# Altium PCB Backend_v1.PcbDoc (part 3 of 3) (continued)
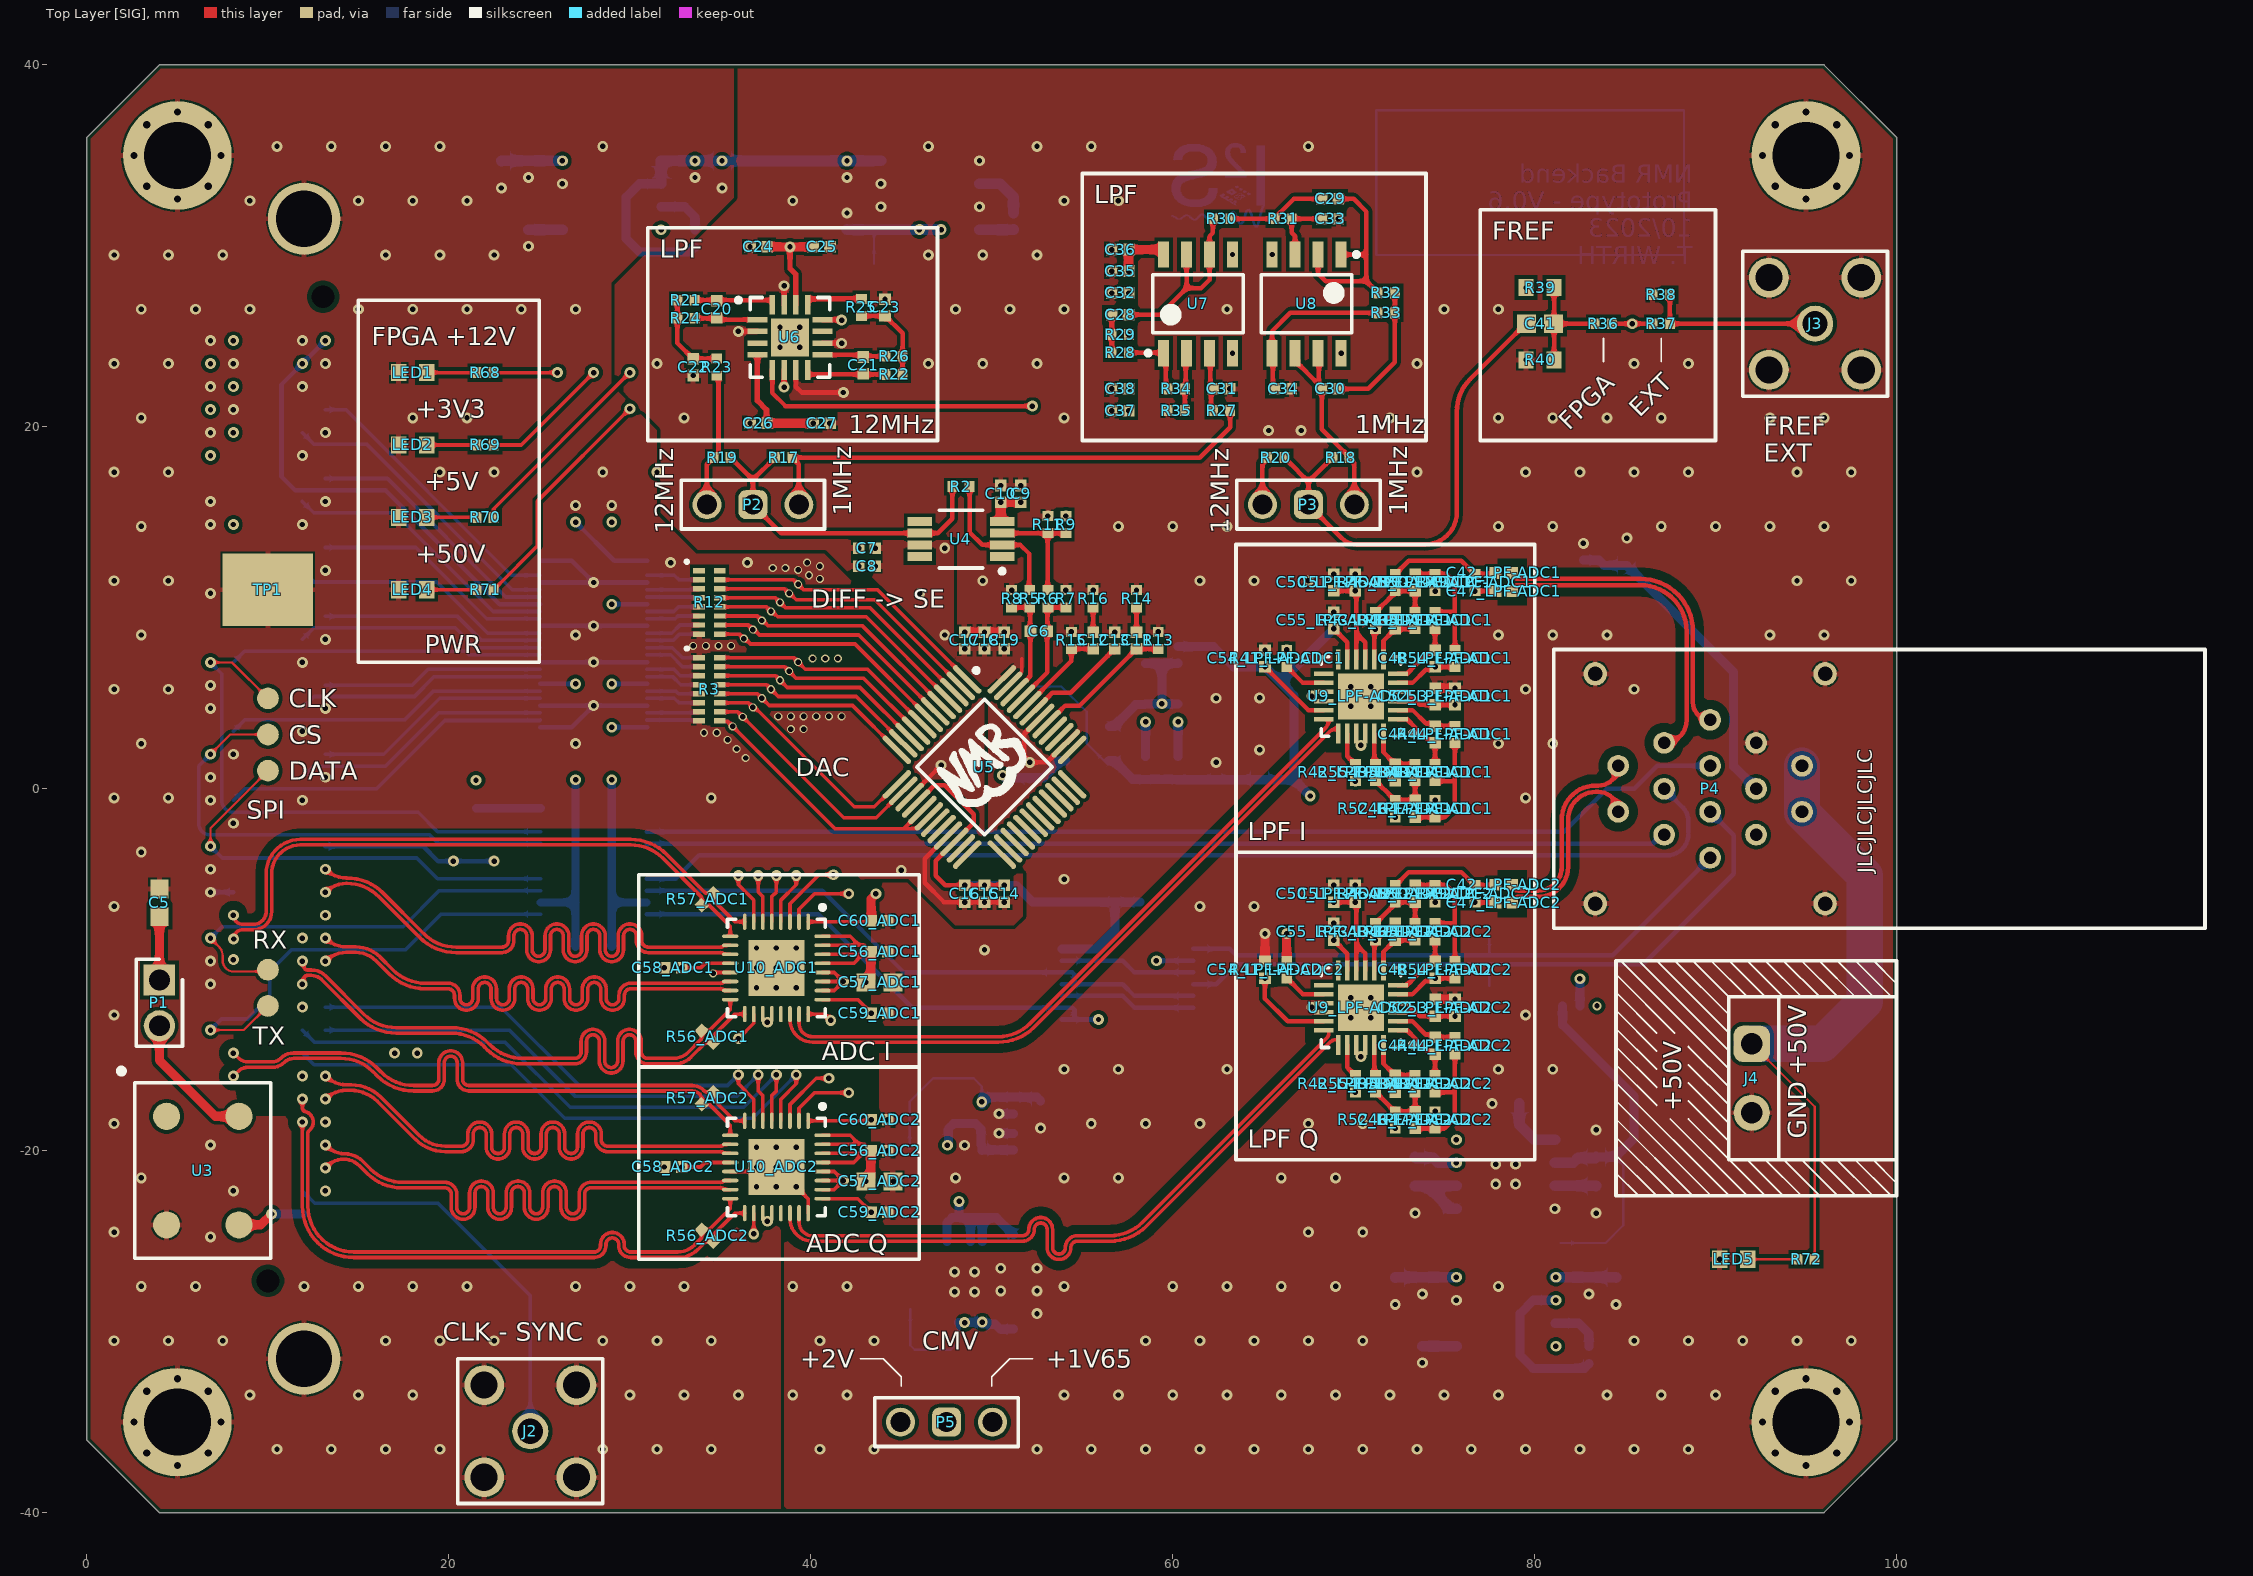
[diagram p0: Top Layer [SIG] view]
## Nets (pads, with @x,y where several pads share a name; then routed paths per layer and width w, separated by ;. In a path a pad name is that pad's centre, name@x,y a point inside that pad or via, vN(x,y) a via of type N, cw(c..) or ccw(c..) an arc to the next point about the centre after c; other vN are vias at no path point) (continued)
NetLED5_1: LED5.1 R72.1 | length 2.7
  Top Layer [SIG] w0.125: LED5.1@91.775,-26 R72.1@94.525,-26
NetP1_2: P1.2 U3.4 | length 7.6
  Top Layer [SIG] w0.5: P1.2@4,-13.1 4,-15 7.1,-18.1 U3.4@8.4,-18.1
NetP2_1: P2.1 R17.2 R27.1 | length 28.6
  Top Layer [SIG] w0.25: P2.1@39.34,15.7 39.34,17.935 39.15,18.125 39.125,18.125 38.975,18.275 R17.2@38.975,18.3 61.5,18.3 63.175,19.975 R27.1@63.175,20.9
NetP2_2: P2.2 R2.2 R17.1 R19.2 U4.6 | length 18.6
  Top Layer [SIG] w0.25: R19.2@35.575,18.3 35.575,18.275 35.725,18.125 35.75,18.125 36.8,17.075 ; R17.1@38.025,18.3 36.8,17.075 ; U4.6@46.025,14.125 38.375,14.125 P2.2@36.8,15.7 36.8,17.075 ; U4.6@46.11,14.125 47.025,14.125 47.825,14.925 R2.2@47.825,16.7
NetP2_3: P2.3 R19.1 R23.1 | length 7.4
  Top Layer [SIG] w0.25: P2.3@34.26,15.7 34.26,17.935 34.45,18.125 34.475,18.125 34.625,18.275 34.625,18.325 34.9,18.6 R23.1@34.9,22.825
NetP3_1: P3.1 R20.1 U6.5 | length 34
  Top Layer [SIG] w0.25: U6.5@37.875,23.15 37.875,21.875 38.6,21.15 v1(52.25,21.15) ; P3.1@64.96,15.7 64.96,18.01 65.225,18.275 R20.1@65.225,18.3
  Top Layer [SIG] w0.3: U6.5@37.875,22.825 U6.5@37.875,23.15
  Mid Layer 2 [SIG] w0.25: v1(52.25,21.15) 57.7,15.7 P3.1@64.96,15.7
NetP5_1: P5.1 R59.1 R61.2 | length 46.2
  Mid Layer 2 [SIG] w0.5: P5.1@44.96,-35 46,-33.96 46,-19 58.5,-6.5 v1(58.5,3.7)
  Bottom Layer [SIG] w0.5: 58.5,1.775 v1(58.5,3.7)
NetP5_3: P5.3 R60.1 R62.1 | length 44.9
  Mid Layer 2 [SIG] w0.5: P5.3@50.04,-35 60.3,-24.74 v1(60.3,3.7)
  Bottom Layer [SIG] w0.5: 60.3,1.775 v1(60.3,3.7)
NetR1_1: R1.1 U1.10 | length 3.6
  Bottom Layer [SIG] w0.45: 21.5,-1.075 U1.10@25.075,-1.075
NetR2_1: R2.1 R5.1 U4.2 | length 8.3
  Top Layer [SIG] w0.25: R2.1@48.775,16.7 48.775,14.185 49.477,13.483 50.567,13.483 U4.2@50.575,13.475 51.585,13.475 52.06,13 52.06,11.015 R5.1@52.1,10.975
NetR4_1: R4.1 U2.23 | length 2.9
  Bottom Layer [SIG] w0.2: U2.23@30.95,3.8 33.6,3.8 33.65,3.75 R4.1@33.825,3.75
NetR6_1: R6.1 R9.2 R11.2 U4.3 | length 6.7
  Top Layer [SIG] w0.25: U4.3@50.575,14.125 R11.2@53.1,14.125 ; R6.1@53.1,10.975 53.092,10.983 53.092,14.117 R11.2@53.1,14.125 ; R9.2@54.1,14.125 R11.2@53.1,14.125
NetR25_1: R25.1 U6.13 | length 3.3
  Top Layer [SIG] w0.3: U6.13@39.825,26.75 39.825,27.075 R25.1@42.8,27.075
NetR28_1: R28.1 R34.2 U7.1 | length 4
  Top Layer [SIG] w0.25: R28.1@57.575,24.1 59.47,24.1 U7.1@59.495,24.075 59.625,23.945 R34.2@59.625,22.1
NetR34_1: R34.1 R35.2 U7.2 | length 3.2
  Top Layer [SIG] w0.25: R35.2@60.675,20.9 R34.1@60.675,22.1 60.72,22.145 60.72,24.03 U7.2@60.765,24.075
NetR41_LPF-ADC1_1: R41_LPF-ADC1.1 U9_LPF-ADC1.14 | length 2.4
  Top Layer [SIG] w0.25: R41_LPF-ADC1.1@66.3,6.725 66.325,6.725 67.2,5.85 U9_LPF-ADC1.14@68.35,5.85
NetR41_LPF-ADC2_1: R41_LPF-ADC2.1 U9_LPF-ADC2.14 | length 2.4
  Top Layer [SIG] w0.25: R41_LPF-ADC2.1@66.3,-10.475 66.325,-10.475 67.2,-11.35 U9_LPF-ADC2.14@68.35,-11.35
NetR42_LPF-ADC1_1: R42_LPF-ADC1.1 U9_LPF-ADC1.20 | length 1.9
  Top Layer [SIG] w0.25: U9_LPF-ADC1.20@69.65,3.05 69.65,1.8 70.075,1.375 R42_LPF-ADC1.1@70.1,1.375
NetR42_LPF-ADC2_1: R42_LPF-ADC2.1 U9_LPF-ADC2.20 | length 1.9
  Top Layer [SIG] w0.25: U9_LPF-ADC2.20@69.65,-14.15 69.65,-15.4 70.075,-15.825 R42_LPF-ADC2.1@70.1,-15.825
NetR58_1: R58.1 U13.7 | length 2.8
  Bottom Layer [SIG] w0.5: U13.7@31.725,32.165 33.035,32.165 33.6,31.6 R58.1@33.6,30.875
NetR64_1: R64.1 U15.7 | length 2.8
  Bottom Layer [SIG] w0.5: U15.7@81.125,-29.535 82.435,-29.535 83,-30.1 R64.1@83,-30.825
NetU18_3: U18.3 U18.13 | length 7.5
  Bottom Layer [SIG] w0.25: U18.13@53.875,-9.5 57.238,-9.5 57.888,-10.15 U18.3@61.125,-10.15
NetU18_6: U18.6 U18.10 | length 7.5
  Bottom Layer [SIG] w0.25: U18.10@53.875,-11.45 57.238,-11.45 57.888,-12.1 U18.6@61.125,-12.1
Q_N: C42_LPF-ADC1.1 P4.8 | length 17.3
  Top Layer [SIG] w0.25: C42_LPF-ADC1.1@78.76,11.925 ccw(c79.084,11.925) 79.084,11.601 85.854,11.601 cw(c85.854,8.703) 88.752,8.703 88.752,4.758 ccw(c89.7,4.758) P4.8@89.7,3.81
Q_P: C47_LPF-ADC1.1 P4.9 | length 18.1
  Top Layer [SIG] w0.25: C47_LPF-ADC1.1@78.76,10.925 cw(c79.084,10.925) 79.084,11.249 85.854,11.249 cw(c85.854,8.703) 88.4,8.703 88.4,3.78 cw(c87.16,3.78) P4.9@87.16,2.54
RX: P4.3 pad.3@77.5,-8 U18.1 | length 32.2
  Bottom Layer [SIG] w0.125: 77.5,-9.2 pad.3@77.5,-8
  Bottom Layer [SIG] w0.25: U18.1@61.125,-8.85 63.15,-8.85 63.5,-9.2 84.31,-9.2 P4.3@89.7,-3.81
RX2: U1.18 U18.5 U18.11 U18.12 | length 33.6
  Bottom Layer [SIG] w0.25: U1.18@30.925,-5.625 40.625,-5.625 45.15,-10.15 54.45,-10.15 54.575,-10.275 54.575,-10.75 U18.11@54.525,-10.8 ; U18.11@53.875,-10.8 U18.11@54.525,-10.8 ; U18.5@61.125,-11.45 57.888,-11.45 57.238,-10.8 U18.11@54.525,-10.8
RX_FMC: J1.C14 pad.3@10,-10 U1.3 | length 23.7
  Top Layer [SIG] w0.125: v1(6.825,-8.255) 7.274,-8.704 cw(c6.727,-9.25) 7.5,-9.25 7.5,-9.5 ccw(c8.1,-9.5) 8.1,-10.1 9.9,-10.1 ccw(c9.9,-10) pad.3@10,-10
  Bottom Layer [SIG] w0.2: v1(6.825,-8.255) 7.455,-7.625 17.475,-7.625 19.475,-5.625 U1.3@25.075,-5.625
TX: P4.12 pad.3@77.5,-10.9 U18.4 | length 37.6
  Bottom Layer [SIG] w0.125: pad.3@77.5,-10.9 77.5,-9.7
  Bottom Layer [SIG] w0.25: U18.4@61.125,-10.8 62.4,-10.8 63.5,-9.7 80,-9.7 86,-9.7 91,-4.7 91,-2.57 P4.12@89.7,-1.27
TX2: U1.20 U18.2 U18.8 U18.9 | length 35
  Mid Layer 2 [SIG] w0.25: v1(55.9,-12.75) 55.9,-12.725 59.1,-9.525 v1(59.1,-9.5)
  Bottom Layer [SIG] w0.25: U1.20@30.925,-6.925 40.425,-6.925 45.6,-12.1 54.45,-12.1 54.575,-12.225 54.575,-12.7 U18.8@54.525,-12.75 ; U18.8@53.875,-12.75 U18.8@54.525,-12.75 ; v1(55.9,-12.75) U18.8@54.525,-12.75 ; v1(59.1,-9.5) U18.2@61.125,-9.5
TX_FMC: J1.C10 pad.3@10,-12 U1.1 | length 25.5
  Top Layer [SIG] w0.125: v1(6.825,-13.335) 8.665,-13.335 pad.3@10,-12
  Bottom Layer [SIG] w0.2: v1(6.825,-13.335) 7.436,-12.724 8.876,-12.724 10.1,-11.5 10.1,-10.1 11.3,-8.9 17.6,-8.9 19.575,-6.925 U1.1@25.075,-6.925
Vocm1: C54_LPF-ADC1.1 C54_LPF-ADC2.1 C55_LPF-ADC1.1 C55_LPF-ADC2.1 C74.1 C75.1 C76.1 pad.3@52.5,5.653 R59.2 R60.2 U9_LPF-ADC1.11 U9_LPF-ADC1.17 U9_LPF-ADC2.11 U9_LPF-ADC2.17 U14.5 | length 60.7
  Top Layer [SIG] w0.25: v1(65.1,-10.46) 65.1,-11.6 66.35,-12.85 U9_LPF-ADC2.17@68.35,-12.85 ; v1(65.1,6.74) 67.49,4.35 U9_LPF-ADC1.17@68.35,4.35 ; v1(68.9,-8.36) 69.65,-9.11 U9_LPF-ADC2.11@69.65,-10.05 ; v1(68.9,8.84) 69.65,8.09 U9_LPF-ADC1.11@69.65,7.15
  Mid Layer 3 [PWR] w0.5: v1(65.1,-10.46) 67.6,-7.96 ; 67.6,-2.1 67.6,-7.96 ; 67.6,-2.075 v1(67.6,-0.4) ; v1(68.9,-8.36) 68.881,-8.341 67.981,-8.341 67.6,-7.96
  Bottom Layer [SIG] w0.125: pad.3@52.5,5.653 53.847,5.653 55.25,4.25 55.25,2.5 55.5,2.25 56.2,1.55 U14.5@56.5,1.55
  Bottom Layer [SIG] w0.5: U14.5@56.5,1.55 56.8,1.55 56.85,1.5 56.85,1.455 57.78,0.525 R59.2@58.5,0.525 R60.2@60.3,0.525 ; R60.2@60.25,0.5 66.7,0.5 ; C74.1@60.3,7.86 62.246,7.86 63.366,6.74 v1(65.1,6.74) 65.95,5.89 ; v1(67.6,-0.4) 66.7,0.5 ; v1(68.9,8.84) 65.95,5.89 ; 65.95,5.89 66.7,5.14 66.7,0.5
pads on no net: J1.C2 J1.C3 J1.C6 J1.C7 J1.C11 J1.C15 J1.C19 J1.C23 J1.C27 J1.C30 J1.C31 J1.C34 J1.D1 J1.D4 J1.D5 J1.D11 J1.D12 J1.D17 J1.D18 J1.D21 J1.D24 J1.D27 J1.D29 J1.D30 J1.D31 J1.D33 J1.D34 J1.D35 J1.G15 J1.G16 J1.G18 J1.G19 J1.G22 J1.G25 J1.G28 J1.G31 J1.G34 J1.G37 J1.H1 J1.H2 J1.H19 J1.H20 J1.H23 J1.H26 J1.H29 J1.H32 J1.H35 J1.H38 J1.MH1 J1.MH2 R10.8 R10.9 R12.1 R12.16 U1.5 U1.6 U1.9 U1.12 U1.15 U1.16 U2.2 U2.47 U3.1 U4.1 U4.5 U4.8 U5.19 U5.20 U5.23 U5.24 U5.25 U5.26 U5.27 U5.28 U5.29 U5.30 U5.31 U5.32 U5.33 U5.34 U5.35 U5.36 U5.37 U5.39 U5.40 U6.3 U6.11 U9_LPF-ADC1.12 U9_LPF-ADC1.13 U9_LPF-ADC2.12 U9_LPF-ADC2.13 U10_ADC1.21 U10_ADC2.21 U11.4 U13.2 U15.2 U16.6
copper on no net: | length 50
  Bottom Layer [SIG] w0.125: 71.25,29.5 88.25,29.5 88.25,37.5 71.25,37.5 71.25,29.5

## Polygon pours and split planes (outlines as drawn)
AGND on Top Layer [SIG] "NONET_L-01_P-001" (solid, remove dead copper, pour order 6): 29,-44 29,45 103,45 103,-44
DGND on Top Layer [SIG] "NONET_L-01_P-001" (solid, remove dead copper, pour order 5): -3.026,41.688 -3.026,-41.048 38.328,-41.048 38.33,-22.5 39.7,-22.5 39.7,-16.5 40.8,-16.5 40.8,-14.4 39.356,-14.4 38.385,-13.353 38.328,-11.5 40,-11.5 40,-13.2 42.897,-13.2 42.966,-5 45.426,-5 47.974,-7.548 51.224,-7.548 51.724,-7.048 51.724,-4.7 49.6,-4.7 49.6,5.861 44.087,11.452 42.298,11.452 40.75,13 33.676,13 31.5,15.176 31.5,19.8 28.974,22.326 28.974,27.952 30.724,29.702 32.802,29.702 35.75,32.65 35.75,41.688
+5V on Top Layer [SIG] "NONET_L-01_P-001" (solid, remove dead copper, pour order 1): 43.2,11.9 43.2,13.725 47.9,13.725 47.9,8.1 51.1,8.1 51.8,8.1 51.78,6.28 50.4,4.9 50.2,4.9
+5V on Mid Layer 3 [PWR] "NONET_L-01_P-001" (solid, remove dead copper, pour order 11): 26,43 26,-43 103,-43 103,43
FMC12V on Mid Layer 3 [PWR] "NONET_L-01_P-001" (solid, remove dead copper, pour order 10): 33.15,-25 33.15,-9.9 33.15,41 -1,41 -1,-42 61,-42 87,-42 87,-29.7 78.4,-29.7 78.4,-25 52,-25 52,-30 38,-30
FMC_3V3 on Mid Layer 3 [PWR] "NONET_L-01_P-001" (solid, remove dead copper, pour order 9): 9.953,29.797 5.4,25.2 5.4,21.9 7.6,21.9 7.6,14.4 8,14 21.2,14 24.2,17 27.5,17 28,16.5 28,0.4 27.1,-0.5 7.2,-0.5 2.7,-5 2.6,-14.2 3.45,-15.05 5.5,-15.05 7,-13.9 30.5,-13.9 33,-11.608 33,18.366 21.776,29.803
FMC_VADJ on Mid Layer 3 [PWR] "NONET_L-01_P-001" (solid, remove dead copper, pour order 3): 15,25 14,26 12,26 11,25 11,-0.25 28,-0.25 28,1.5 29,2.5 29.5,2.5 30,3 30,4 29.5,4.5 29,4.5 28,5.5 28,7 28,16.5 26.817,17.683 15,17.683
-5V on Mid Layer 3 [PWR] "NONET_L-01_P-001" (solid, remove dead copper, pour order 8): 66.5,30.25 63.5,30.25 61.75,29.5 53.75,29.5 49.25,31.5 45.25,31.5 41.25,27.75 41.25,22.25 40,21.25 38,21.25 38,19.25 42,15.25 52.25,15.25 55.75,18.75 62.25,18.75 66.5,23
AGND on Mid Layer 1 [GND] "NONET_L-01_P-001" (solid, remove dead copper, pour order 14): 29,-44 29,45 103,45 103,-44
DGND on Mid Layer 1 [GND] "NONET_L-01_P-001" (solid, remove dead copper, pour order 13): -3.026,41.688 -3.026,-41.048 38.228,-41.048 38.33,-22.5 39.7,-22.5 39.7,-15.8 46.4,-15.8 46.4,-14.6 38.328,-14.6 38.328,-11.5 40,-11.5 40,-13.1 47.928,-13.1 47.974,-7.548 51.224,-7.548 51.724,-7.048 51.724,-4.7 49.6,-4.7 49.6,5.861 44.087,11.452 42.298,11.452 40.75,13 33.676,13 31.5,15.176 31.5,19.8 28.974,22.326 28.974,27.952 30.724,29.702 32.802,29.702 35.75,32.65 35.75,41.688
AGND on Bottom Layer [SIG] "NONET_L-01_P-001" (solid, remove dead copper, pour order 15): 29,-44 29,45 103,45 103,-44
DGND on Bottom Layer [SIG] "NONET_L-01_P-001" (solid, remove dead copper, pour order 7): -3.026,41.688 -3.026,-41.048 38.228,-41.048 38.33,-22.5 40,-22.5 40,-15 64,-15 64,-10.5 64,-1.5 42.2,-1.5 42.2,11.3 40.5,13 33.676,13 31.5,15.176 31.5,19.8 28.974,22.326 28.974,27.952 30.724,29.702 32.802,29.702 34.2,31.1 34.2,41.688
AGND on Mid Layer 4 [GND] "NONET_L-01_P-001" (solid, remove dead copper, pour order 18): 29,-44 29,45 103,45 103,-44
DGND on Mid Layer 4 [GND] "NONET_L-01_P-001" (solid, remove dead copper, pour order 17): -3.026,41.688 -3.026,-41.048 38.228,-41.048 38.33,-22.5 40,-22.5 40,-15 64,-15 64,-10.5 87.5,-10.5 91.5,-6 91.5,-1 90.5,0 90.5,2.5 87.305,1.44 83.5,0.5 80.5,-1.5 42.2,-1.5 42.2,11.3 40.5,13 33.676,13 31.5,15.176 31.5,19.8 28.974,22.326 28.974,27.952 30.724,29.702 32.802,29.702 34.2,31.1 34.2,41.688
AGND on Mid Layer 4 [GND] "NONET_L-01_P-001" (solid, remove dead copper, pour order 16): 64,-8 64.5,-8.5 83.5,-8.5 86.5,-5.5 86.5,-4.75 86,-4.25 64.5,-4.25 64,-4.75

## Other copper
Top Layer [SIG]:
  pour cut-out: 36.406,-4.75 42.536,-4.75 43.6,-5.814 43.34,-6.074 43.34,-13.21
  pour cut-out: 75.6,10.6 76.525,10.6 76.525,10.45 75.75,10.45
  pour cut-out: 75.6,-6.6 76.525,-6.6 76.525,-6.75 75.75,-6.75
  pour cut-out: 36,-4.8 33.2,-4.8 33.4,-5
  pour cut-out: 32.428,-15.875 35.799,-12.505 35.799,-11.9 42.793,-11.9 43.344,-18.35 43.344,-19.996 42.275,-18.35 39.85,-18.35
  pour cut-out: 10.75,-3 10.75,-6.5 8.1,-8.255 8.1,-10.1 9.922,-10.078 10,-12 11.907,-12.062 16.07,-11.15 35.41,-11.15 35.41,-7.882 30.75,-3
  pour cut-out: 8.665,-13.335 8.095,-13.4 8.095,-14.605 15.9,-14.7 17,-15.6 18.8,-15.6 18.8,-14 16.6,-12 10,-12
  pour cut-out: 8.095,-14.605 8.095,-15.875 8.4,-18.1 12.3,-18.1 12.2,-24 13.5,-25.3 13.591,-25.209 33.578,-25.209 35.41,-23.377 35.41,-18.857 32.428,-15.875
  pour cut-out: 43.775,-17.6 43.775,-13.088 43.025,-13.838 43.025,-18.325
Mid Layer 4 [GND]:
  pour cut-out: 92.24,-5.422 85.786,-12.828 85.5,-17 85.5,-19.3 84.9,-20.8 84.9,-24.1 84.5,-24.5 84.495,-26.995 102.75,-27 102.75,6.35 96,6.35 92.24,2.54
Bottom Layer [SIG]:
  pour cut-out: 70.75,38 70.75,29 88.75,29 88.75,38
  pour cut-out: 79.935,-28.265 79.2,-29 79.2,-31.3 79.925,-32.025 82.75,-32.025 83,-31.775 83,-30.1 82.435,-29.535 82.05,-29.535 82.05,-28.765 81.55,-28.265
  pour cut-out: 84.219,0.969 85.79,2.54 87.16,2.54 88.43,3.81 90.307,3.81
  pour cut-out: 92.09,-2.39 83.198,-3.5 83.35,-6.35 83.198,-9.247 85.85,-9.55 85.35,-16.85 85.35,-19.15 84.75,-20.65 83.35,-21.95 85,-23.25 84.75,-23.95 84.35,-24.35 84.345,-26.845 102.6,-26.85 102.6,6.5 95.85,6.5 92.09,2.69
  region: 329 vertices and 0 holes, not listed, extent 59.951,32.163 62.483,35.618
  region: 368 vertices and 0 holes, not listed, extent 59.926,31.025 65.097,35.535
  region: 63.885,34.204 63.814,34.274 63.798,34.282 63.777,34.311 63.699,34.389 63.682,34.397 63.662,34.426 63.637,34.451 63.629,34.467 63.584,34.513 63.567,34.521 63.559,34.538 63.542,34.546 63.513,34.575 63.509,34.587 63.493,34.595 63.472,34.624 63.439,34.657 63.431,34.674 63.406,34.698 63.398,34.715 63.386,34.736 63.369,34.744 63.348,34.764 63.34,34.781 63.315,34.806 63.307,34.822 63.283,34.847 63.25,34.905 63.208,34.979 63.192,35.02 63.184,35.061 63.167,35.102 63.163,35.181 63.175,35.259 63.192,35.3 63.2,35.333 63.241,35.375 63.262,35.412 63.295,35.42 63.328,35.453 63.361,35.461 63.608,35.453 63.641,35.42 63.666,35.412 63.72,35.358 63.728,35.325 63.744,35.309 63.761,35.21 63.769,35.152 64.029,35.148 64.049,35.168 64.037,35.247 64.029,35.313 64.012,35.354 63.992,35.399 63.983,35.432 63.95,35.465 63.942,35.482 63.856,35.568 63.814,35.593 63.757,35.618 63.682,35.651 63.612,35.663 63.563,35.671 63.377,35.676 63.353,35.667 63.32,35.659 63.233,35.638 63.221,35.626 63.188,35.618 63.13,35.585 63.085,35.556 63.08,35.544 63.064,35.535 63.01,35.482 63.002,35.465 62.977,35.441 62.957,35.387 62.936,35.366 62.928,35.333 62.916,35.239 62.903,35.193 62.911,35.037 62.92,35.012 62.928,34.954 62.936,34.921 62.961,34.896 62.969,34.863 62.994,34.822 63.064,34.719 63.076,34.707 63.085,34.69 63.097,34.67 63.113,34.661 63.126,34.649 63.134,34.632 63.159,34.608 63.167,34.591 63.179,34.579 63.192,34.575 63.2,34.558 63.241,34.517 63.25,34.5 63.6,34.15 63.616,34.142 63.678,34.08 63.687,34.063 63.699,34.051 63.715,34.043 63.744,34.022 63.736,33.997 63.699,33.985 62.899,33.977 62.887,33.964 62.895,33.907 62.899,33.795 62.932,33.787 64.062,33.795 64.074,33.833 64.066,33.857 64.07,33.993 64.062,34.026 63.979,34.109 63.963,34.117 63.95,34.129 63.942,34.146 63.889,34.199
  region: 63.831,33.16 63.814,33.169 63.757,33.193 63.74,33.185 63.682,33.152 63.67,33.132 63.707,33.086 63.765,33.07 63.814,33.078 63.86,33.115 63.852,33.148 63.835,33.156
  region: 63.608,33.284 63.559,33.317 63.518,33.309 63.501,33.292 63.468,33.284 63.452,33.276 63.447,33.247 63.46,33.235 63.501,33.21 63.542,33.193 63.592,33.202 63.616,33.226 63.654,33.247 63.645,33.272 63.616,33.284
  region: 64.293,32.888 64.276,32.905 64.202,32.938 64.169,32.93 64.128,32.905 64.115,32.892 64.107,32.868 64.12,32.847 64.161,32.831 64.202,32.806 64.227,32.814 64.251,32.839 64.297,32.851 64.305,32.868 64.297,32.884
  region: 63.204,33.127 63.163,33.103 63.146,33.086 63.105,33.078 63.072,33.045 63.039,33.037 63.023,33.02 62.969,32.991 62.977,32.967 63.027,32.942 63.031,32.938 63.047,32.921 63.089,32.905 63.138,32.872 63.229,32.822 63.245,32.806 63.287,32.814 63.311,32.839 63.419,32.897 63.493,32.938 63.505,32.95 63.513,32.983 63.493,33.004 63.452,33.02 63.435,33.037 63.419,33.045 63.406,33.057 63.398,33.074 63.386,33.086 63.369,33.094 63.336,33.127 63.303,33.136 63.287,33.152 63.254,33.16 hole: 63.262,33.02 63.324,32.991 63.315,32.967 63.283,32.958 63.27,32.946 63.245,32.954 63.2,32.983 63.204,32.987 63.208,32.991 63.221,33.004
  region: 63.682,32.913 63.666,32.897 63.649,32.888 63.604,32.851 63.596,32.818 63.592,32.806 63.485,32.798 63.452,32.765 63.419,32.756 63.398,32.736 63.406,32.694 63.439,32.67 63.447,32.653 63.46,32.641 63.551,32.633 63.563,32.62 63.588,32.579 63.6,32.567 63.645,32.563 63.753,32.571 63.773,32.591 63.777,32.596 63.794,32.612 63.802,32.637 63.835,32.67 63.827,32.686 63.802,32.694 63.786,32.736 63.79,32.748 63.831,32.765 63.889,32.773 63.922,32.765 63.938,32.756 63.95,32.744 63.942,32.727 63.93,32.715 63.852,32.703 63.856,32.69 63.889,32.699 63.938,32.682 63.992,32.711 64,32.744 63.975,32.785 63.955,32.806 63.922,32.814 63.864,32.798 63.843,32.818 63.835,32.851 63.827,32.868 63.814,32.88 63.724,32.921 hole: 63.715,32.88 63.748,32.872 63.786,32.835 63.781,32.814 63.748,32.806 63.724,32.814 63.662,32.802 63.645,32.793 63.633,32.765 63.6,32.756 63.592,32.715 63.575,32.699 63.542,32.69 63.452,32.699 63.447,32.719 63.468,32.756 63.592,32.765 63.596,32.785 63.596,32.793 63.6,32.806 63.625,32.814 63.637,32.826 63.645,32.843 63.658,32.855 63.674,32.864 hole: 63.728,32.76 63.761,32.752 63.769,32.736 63.757,32.723 63.753,32.719 63.724,32.69 63.699,32.699 63.674,32.69 63.649,32.699 63.637,32.711 63.649,32.756 hole: 63.732,32.682 63.765,32.674 63.769,32.653 63.732,32.6 63.699,32.6 63.674,32.591 63.629,32.604 63.604,32.612 63.612,32.645 63.703,32.653
  region: 64.074,32.991 64.082,33 64.062,33.028 64.021,33.045 64.004,33.061 63.971,33.07 63.922,33.037 63.893,33.024 63.901,32.975 63.95,32.95 63.988,32.938 64.045,32.962 64.062,32.971 64.074,32.983
  region: 62.759,32.872 62.742,32.855 62.709,32.847 62.693,32.839 62.689,32.802 62.713,32.777 62.693,32.773 62.676,32.798 62.643,32.806 62.619,32.814 62.61,32.781 62.606,32.76 62.627,32.732 62.66,32.723 62.685,32.699 62.718,32.69 62.751,32.657 62.792,32.649 62.825,32.616 62.866,32.6 62.907,32.575 62.924,32.567 62.94,32.55 62.994,32.53 63.023,32.501 63.056,32.492 63.072,32.484 63.097,32.459 63.151,32.439 63.171,32.418 63.196,32.41 63.221,32.385 63.254,32.377 63.27,32.369 63.303,32.336 63.344,32.328 63.369,32.303 63.41,32.286 63.427,32.27 63.48,32.249 63.493,32.237 63.505,32.249 63.497,32.307 63.485,32.319 63.452,32.328 63.439,32.34 63.443,32.361 63.46,32.369 63.485,32.393 63.526,32.41 63.542,32.418 63.546,32.439 63.501,32.484 63.443,32.492 63.394,32.484 63.348,32.447 63.34,32.431 63.32,32.418 63.233,32.464 63.25,32.505 63.27,32.525 63.311,32.534 63.324,32.546 63.315,32.579 63.295,32.6 63.262,32.608 63.237,32.633 63.217,32.637 63.188,32.608 63.146,32.591 63.134,32.579 63.109,32.538 63.105,32.534 63.047,32.575 63.031,32.583 63.014,32.6 62.973,32.616 62.969,32.62 62.982,32.633 63.056,32.641 63.093,32.67 63.101,32.703 63.093,32.719 63.052,32.736 63.031,32.756 62.982,32.748 62.965,32.732 62.924,32.715 62.911,32.703 62.907,32.657 62.883,32.666 62.866,32.682 62.808,32.715 62.804,32.719 62.8,32.723 62.788,32.727 62.796,32.752 62.837,32.769 62.85,32.781 62.866,32.789 62.887,32.81 62.878,32.843 62.837,32.859 62.825,32.872 62.792,32.88 hole: 63.171,32.517 63.188,32.509 63.192,32.497 63.179,32.484 63.163,32.492 63.159,32.497 63.159,32.505 hole: 63.386,32.393 63.398,32.381 63.394,32.377 63.39,32.373 63.369,32.369 63.365,32.389
  pour cut-out: 59.5,36.5 59.5,30.5 65.5,30.5 65.5,36.5
  pour cut-out: 23.6,3.8 23.6,-1.1 23,-1.1 23,3.8
  pour cut-out: 18.8,-14 18.8,-15.2 19,-15.2 19,-14
  pour cut-out: 42.2,-1.298 42.404,-1.502 42.404,-2.302 42.2,-2.302
  pour cut-out: 11.905,20.955 11.905,3.175 16.875,3.175 21.1,7.4 21.1,14.15 14.295,20.955
  pour cut-out: 12.85,-3.825 12.85,-7.55 12.925,-7.625 17.475,-7.625 19.475,-5.625 19.375,-5.525 19.375,-4.975 18.225,-3.825
  text "NMR Backend  / Prototype - V0.6 / 10/2023 / T. WIRTH" at 88.75,29 h1

## Silkscreen, mask and mechanical layers (free items; w line width, h text height)
Top Overlay:
  drawing of 90 lines, arcs and shapes, not listed
  text "LPF" at 55.653,32.347 h1
  text "FREF" at 77.653,30.347 h1
  text "LPF" at 31.653,29.347 h1
  text "FPGA +12V" at 15.751,24.5 h1
  text "+3V3" at 18.167,20.5 h1
  text "EXT" at 85.822,20.475 h1 r45
  text "FPGA" at 81.915,19.768 h1 r45
  text "12MHz" at 42.098,19.653 h1
  text "1MHz" at 70.098,19.653 h1
  text "FREF  / EXT" at 92.658,18.064 h1
  text "+5V" at 18.667,16.5 h1
  text "1MHz" at 42.25,15.098 h1 r90
  text "1MHz" at 72.95,15.098 h1 r90
  text "12MHz" at 32.403,14.098 h1 r90
  text "12MHz" at 63.103,14.098 h1 r90
  text "+50V" at 18.167,12.5 h1
  text "DIFF -> SE" at 40.017,10 h1
  text "PWR" at 18.667,7.5 h1
  text "CLK" at 11.153,4.5 h1
  text "CS" at 11.153,2.5 h1
  text "DAC" at 39.181,0.7 h1
  text "DATA" at 11.153,0.5 h1
  text "SPI" at 8.834,-1.653 h1
  text "LPF I" at 64.153,-2.847 h1
  text "JLCJLCJLCJLC" at 98.65,-4.665 h0.8 r90
  text "RX" at 9.167,-8.847 h1
  text "TX" at 9.167,-14.153 h1
  text "ADC I" at 40.612,-15 h1
  text "+50V" at 95,-15.833 h1 r90
  text "+50V" at 88.115,-17.833 h1 r90
  text "GND" at 95,-19.333 h1 r90
  text "LPF Q" at 64.153,-19.847 h1
  text "ADC Q" at 39.75,-25.625 h1
  text "CLK - SYNC" at 19.668,-30.5 h1
  text "CMV" at 46.167,-31 h1
  text "+2V" at 39.417,-32 h1
  text "+1V65" at 53.001,-32 h1
Bottom Overlay:
  lines w0.1: 82.7,0 86.2,0 ; 90.2,-2 91.2,-3.25 91.2,-4.75 ; 90.2,2 91.2,3.25 91.2,4.75 ; 93.2,0 97.45,0 ; 93.5,-19.25 94.75,-20.5 ; 93.5,-18.25 95.75,-20.5 ; 93.5,-17.25 96.685,-20.435 ; 93.5,-16.25 97.75,-20.5 ; 93.5,-15.25 95.75,-17.5 ; 93.5,-14.25 95.75,-16.5 ; 93.5,-13.25 95.75,-15.5 ; 93.5,-12.25 95.75,-14.5 ; 93.75,-11.5 95.75,-13.5 ; 94.75,-11.5 96.75,-13.5 ; 95.75,-11.5 99.75,-15.5 ; 96.5,-18.25 98.75,-20.5 ; 96.75,-11.5 99.75,-14.5 ; 97.5,-18.25 99.73,-20.48 ; 97.5,-17.25 99.75,-19.5 ; 97.5,-16.25 99.75,-18.5 ; 97.5,-15.25 99.75,-17.5 ; 97.5,-14.25 99.75,-16.5 ; 97.75,-11.5 99.75,-13.5 ; 98.75,-11.5 99.75,-12.5 ; 95.75,-16.5 95.75,-16.5 ; 98.75,-20.5 98.75,-20.5
  lines w0.2: 93.5,-20.505 93.5,-11.5 99.73,-11.5 99.73,-20.505 93.5,-20.505 ; 93.5,-20.505 93.5,-11.495 90.73,-11.495 90.73,-20.505 93.5,-20.505 ; 70.5,-34 70.5,-14 86.5,-14 86.5,-34 70.5,-34 ; 80.5,-9.5 99.75,-9.5 99.75,9 80.5,9 80.5,-9.5
  text "+5V" at 30.333,28.5 h1
  text "-5V" at 48.083,28.5 h1
  text "CLK" at 91.545,7.595 h1 r90
  text "Q-" at 88.545,6.095 h1 r90
  text "CMV" at 56.633,5.153 h1
  text "GND" at 94.295,5.083 h1 r90
  text "+50V" at 96.795,4.445 h1 r90
  text "Q+" at 86.045,4.345 h1 r90
  text "+5V/+3V3" at 98.795,3.832 h1 r90
  text "I-" at 83.795,2.655 h1 r90
  text "DATA" at 82.295,1.833 h1 r90
  text "NET TIE" at 45.549,0.253 h1
  text "+50V" at 96.795,-0.805 h1 r90
  text "I+" at 83.95,-2.25 h1 r90
  text "FREF" at 94.295,-2.417 h1 r90
  text "CS" at 86.045,-3.655 h1 r90
  text "TX" at 91.545,-4.905 h1 r90
  text "RX" at 88.545,-5.155 h1 r90
  text "RX" at 76.097,-8.5 h1
  text "TX" at 76.097,-11.4 h1
  text "+50V" at 90.097,-11.653 h1 r90
  text "+50V" at 97.115,-14.167 h1 r90
  text "PWR - FE" at 85.847,-15.653 h1
  text "GND" at 90.097,-17.681 h1 r90
  text "+3V3" at 45.847,-19 h1
  text "+3V3" at 80.333,-25.5 h1
  text "+1V8" at 45.797,-27.75 h1
  text "+5V" at 79.833,-33 h1
Top Paste:
  region: 5,37 cw(c5,35) 7,35 cw(c5,35) 5,33 cw(c5,35) 3,35 cw(c5,35)
  region: 5,-33 cw(c5,-35) 7,-35 cw(c5,-35) 5,-37 cw(c5,-35) 3,-35 cw(c5,-35)
  region: 95,-33 cw(c95,-35) 97,-35 cw(c95,-35) 95,-37 cw(c95,-35) 93,-35 cw(c95,-35)
  region: 95,37 cw(c95,35) 97,35 cw(c95,35) 95,33 cw(c95,35) 93,35 cw(c95,35)
Bottom Paste:
  circle w0.1: c95,-35 r2
  region: 95,37 cw(c95,35) 97,35 cw(c95,35) 95,33 cw(c95,35) 93,35 cw(c95,35)
  region: 5,37 cw(c5,35) 7,35 cw(c5,35) 5,33 cw(c5,35) 3,35 cw(c5,35)
  region: 5,-33 cw(c5,-35) 7,-35 cw(c5,-35) 5,-37 cw(c5,-35) 3,-35 cw(c5,-35)
  region: 95,-33 cw(c95,-35) 97,-35 cw(c95,-35) 95,-37 cw(c95,-35) 93,-35 cw(c95,-35)
Bottom Solder:
  drawing of 14 lines, arcs and shapes, not listed
  text "NMR Backend  / Prototype - V0.6 / 10/2023 / T. WIRTH" at 88.75,29 h1
Outline:
  lines w0.1: 0,-36 4,-40 96,-40 100,-36 100,-35 100,36 96,40 4,40 0,36 0,-36